# KiCad board FlexKeys.kicad_pcb (continued)
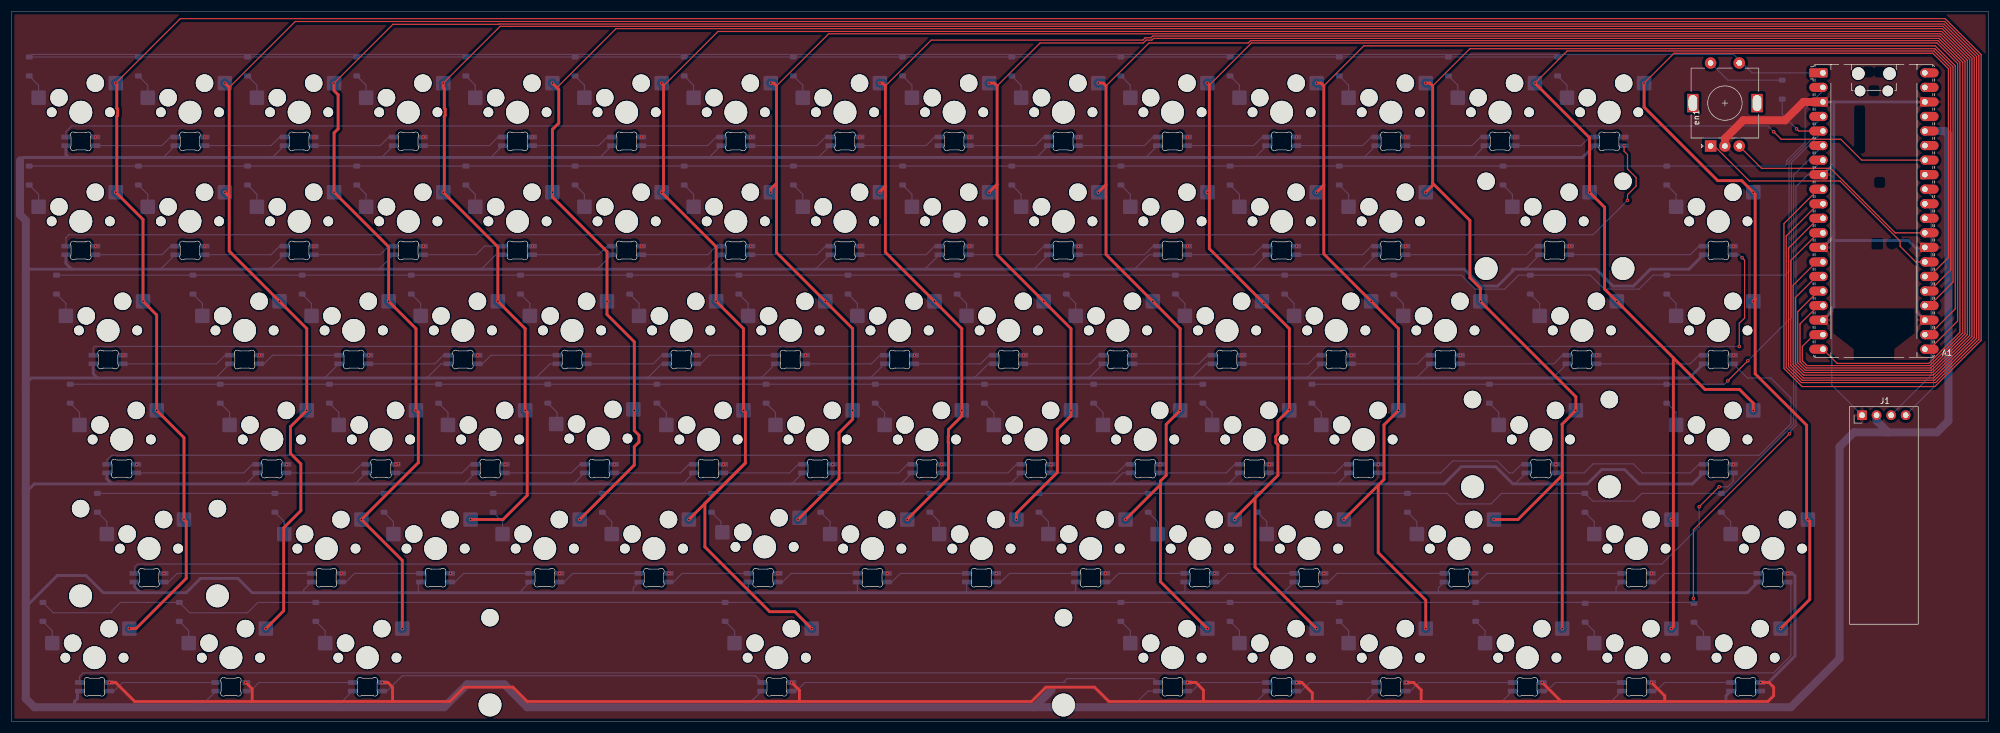
[diagram p0: board, top side]
## Nets (continued)
Net-(D29-A): D29.2 SW29.2
Net-(D30-A): D30.2 SW30.2
Net-(D31-A): D31.2 SW31.2
Net-(D32-A): D32.2 SW32.2
Net-(D33-A): D33.2 SW33.2
Net-(D34-A): D34.2 SW34.2
Net-(D35-A): D35.2 SW35.2
Net-(D36-A): D36.2 SW36.2
Net-(D37-A): D37.2 SW37.2
Net-(D38-A): D38.2 SW38.2
Net-(D39-A): D39.2 SW39.2
Net-(D40-A): D40.2 SW40.2
Net-(D41-A): D41.2 SW41.2
Net-(D42-A): D42.2 SW42.2
Net-(D43-A): D43.2 SW43.2
Net-(D44-A): D44.2 SW44.2
Net-(D45-A): D45.2 SW45.2
Net-(D46-A): D46.2 SW46.2
Net-(D47-A): D47.2 SW47.2
Net-(D48-A): D48.2 SW48.2
Net-(D49-A): D49.2 SW49.2
Net-(D50-A): D50.2 SW50.2
Net-(D51-A): D51.2 SW51.2
Net-(D52-A): D52.2 SW52.2
Net-(D53-A): D53.2 SW53.2
Net-(D54-A): D54.2 SW54.2
Net-(D55-A): D55.2 SW55.2
Net-(D56-A): D56.2 SW56.2
Net-(D57-A): D57.2 SW57.2
Net-(D58-A): D58.2 SW58.2
Net-(D59-A): D59.2 SW59.2
Net-(D60-A): D60.2 SW60.2
Net-(D61-A): D61.2 SW61.2
Net-(D62-A): D62.2 SW62.2
Net-(D63-A): D63.2 SW63.2
Net-(D64-A): D64.2 SW64.2
Net-(D65-A): D65.2 SW65.2
Net-(D66-A): D66.2 SW66.2
Net-(D67-A): D67.2 SW67.2
Net-(D68-A): D68.2 SW68.2
Net-(D69-A): D69.2 SW69.2
Net-(D70-A): D70.2 SW70.2
Net-(D71-A): D71.2 SW71.2
Net-(D72-A): D72.2 SW72.2
Net-(D73-A): D73.2 SW73.2
Net-(D74-A): D74.2 SW74.2
Net-(D75-A): D75.2 SW75.2
Net-(D76-A): D76.2 SW76.2
Net-(D77-A): D77.2 SW77.2
Net-(D78-A): D78.2 SW78.2
Net-(D79-A): D79.2 SW79.2
Net-(D80-A): D80.2 SW80.2
Net-(D81-A): D81.2 SW81.2
Net-(D85-A): D85.2 SW82.2
Net-(D86-A): D86.2 SW83.2
Net-(DL1-DOUT): DL1.1 DL2.3
Net-(DL2-DOUT): DL2.1 DL3.3
Net-(DL3-DOUT): DL3.1 DL4.3
Net-(DL4-DOUT): DL4.1 DL5.3
Net-(DL5-DOUT): DL5.1 DL6.3
Net-(DL6-DOUT): DL6.1 DL7.3
Net-(DL7-DOUT): DL7.1 DL8.3
Net-(DL8-DOUT): DL8.1 DL9.3
Net-(DL10-DIN): DL9.1 DL10.3
Net-(DL10-DOUT): DL10.1 DL11.3
Net-(DL11-DOUT): DL11.1 DL12.3
Net-(DL12-DOUT): DL12.1 DL13.3
Net-(DL13-DOUT): DL13.1 DL14.3
Net-(DL14-DOUT): DL14.1 DL15.3
Net-(DL15-DOUT): DL15.1 DL16.3
Net-(DL16-DOUT): DL16.1 DL17.3
Net-(DL17-DOUT): DL17.1 DL18.3
Net-(DL18-DOUT): DL18.1 DL19.3
Net-(DL19-DOUT): DL19.1 DL20.3
Net-(DL20-DOUT): DL20.1 DL21.3
Net-(DL21-DOUT): DL21.1 DL22.3
Net-(DL22-DOUT): DL22.1 DL23.3
Net-(DL23-DOUT): DL23.1 DL24.3
Net-(DL24-DOUT): DL24.1 DL25.3
Net-(DL25-DOUT): DL25.1 DL26.3
Net-(DL26-DOUT): DL26.1 DL27.3
Net-(DL27-DOUT): DL27.1 DL28.3
Net-(DL28-DOUT): DL28.1 DL29.3
Net-(DL29-DOUT): DL29.1 DL30.3
Net-(DL30-DOUT): DL30.1 DL31.3
Net-(DL31-DOUT): DL31.1 DL32.3
Net-(DL32-DOUT): DL32.1 DL33.3
Net-(DL33-DOUT): DL33.1 DL34.3
Net-(DL34-DOUT): DL34.1 DL35.3
Net-(DL35-DOUT): DL35.1 DL36.3
Net-(DL36-DOUT): DL36.1 DL37.3
Net-(DL37-DOUT): DL37.1 DL38.3
Net-(DL38-DOUT): DL38.1 DL39.3
Net-(DL39-DOUT): DL39.1 DL40.3
Net-(DL40-DOUT): DL40.1 DL41.3
Net-(DL41-DOUT): DL41.1 DL42.3
Net-(DL42-DOUT): DL42.1 DL43.3
Net-(DL43-DOUT): DL43.1 DL44.3
Net-(DL44-DOUT): DL44.1 DL45.3
Net-(DL45-DOUT): DL45.1 DL46.3
Net-(DL46-DOUT): DL46.1 DL47.3
Net-(DL47-DOUT): DL47.1 DL48.3
Net-(DL48-DOUT): DL48.1 DL49.3
Net-(DL49-DOUT): DL49.1 DL50.3
Net-(DL50-DOUT): DL50.1 DL51.3
Net-(DL51-DOUT): DL51.1 DL52.3
Net-(DL52-DOUT): DL52.1 DL53.3
Net-(DL53-DOUT): DL53.1 DL54.3
Net-(DL54-DOUT): DL54.1 DL55.3
Net-(DL55-DOUT): DL55.1 DL56.3
Net-(DL56-DOUT): DL56.1 DL57.3
Net-(DL57-DOUT): DL57.1 DL58.3
Net-(DL58-DOUT): DL58.1 DL59.3
Net-(DL59-DOUT): DL59.1 DL60.3
Net-(DL60-DOUT): DL60.1 DL61.3
Net-(DL61-DOUT): DL61.1 DL62.3
Net-(DL62-DOUT): DL62.1 DL63.3
Net-(DL63-DOUT): DL63.1 DL64.3
Net-(DL64-DOUT): DL64.1 DL65.3
Net-(DL65-DOUT): DL65.1 DL66.3
Net-(DL66-DOUT): DL66.1 DL67.3
Net-(DL67-DOUT): DL67.1 DL68.3
Net-(DL68-DOUT): DL68.1 DL69.3
Net-(DL69-DOUT): DL69.1 DL70.3
Net-(DL70-DOUT): DL70.1 DL71.3
Net-(DL71-DOUT): DL71.1 DL72.3
Net-(DL72-DOUT): DL72.1 DL73.3
Net-(DL73-DOUT): DL73.1 DL74.3
Net-(DL74-DOUT): DL74.1 DL75.3
Net-(DL75-DOUT): DL75.1 DL76.3
Net-(DL76-DOUT): DL76.1 DL77.3
Net-(DL77-DOUT): DL77.1 DL78.3
Net-(DL78-DOUT): DL78.1 DL79.3
Net-(DL79-DOUT): DL79.1 DL80.3
Net-(DL80-DOUT): DL80.1 DL81.3
Net-(DL81-DOUT): DL81.1 DL82.3
Net-(DL82-DOUT): DL82.1 DL83.3

Pads without a net: A1 30 33 35 37 39 40; DL83 1; en1 MP

## Via types
v1: diameter 0.6, hole 0.3, Top to Bottom, 180 vias

## Routing (per net, layer and track width the routed paths; a pad name or vN(x,y) marks a point on that pad's centre or on a via; arc(x,y) is an arc through that point)
+3V3: length 2264.2
  Bottom w0.2: 121.74,98.51 DL7.4 ; DL13.4 236.04,98.51 ; 36,60 36,60.4 DL32.4 ; DL80.4 235.28,2.5 ; DL10.4 178.89,98.51 ; DL2.4 26.48,98.5 ; 128,2.5 129.5,4 129.62,4 DL77.4 ; 231.5,41.5 231.5,41.58 DL57.4 ; 64.5,98.51 64.59,98.51 DL4.4 ; 147.5,22.5 147.61,22.61 DL66.4 ; DL50.4 98.07,41.5 ; DL22.4 121.28,79 ; 45.5,98.51 45.54,98.51 DL3.4 ; DL62.4 71,23.96 71,22.5 ; 32.87,2.5 35.69,5.32 ; DL78.4 198.32,5.32 195.5,2.5 ; DL38.4 149.91,60 ; 168,60 170.47,62.47 DL39.4 ; DL26.4 198.52,81.52 196,79 ; DL29.4 264.15,79 ; 204.5,22.5 204.76,22.76 DL69.4 ; 108.5,22.5 108.5,23.36 DL64.4 ; 51,22.5 51,23.01 DL61.4 ; DL53.4 155.22,41.5 ; 261,2.5 260.09,3.41 260.09,3.5 DL81.4 ; 89,22.5 89,22.91 DL63.4 ; 240.49,98.51 240.5,98.5 ; DL56.4 212.37,41.5 ; DL12.4 216.99,98.51 ; 41,41.5 41,41.58 DL47.4 ; DL18.4 45.08,79 ; DL27.4 216.53,79 ; DL37.4 130.85,60 ; DL17.4 26.03,79 ; DL72.4 280,23.41 280,22.5 ; DL54.4 174.27,41.5 ; DL11.4 197.94,98.51 ; DL36.4 113.47,62.47 111,60 ; 128.5,22.5 128.56,22.56 DL65.4 ; 192,41.5 193.92,43.42 DL55.4 ; 235.58,79 DL28.4 238.14,81.52 238.3,81.36 238.26,81.26 ; DL41.4 208.47,62.47 206,60 ; DL68.4 185.71,22.71 185.5,22.5 ; DL44.4 268.97,60 ; DL5.4 83.64,98.51 83.5,98.51 ; DL51.4 117.12,41.5 ; 91.5,60 93.97,62.47 DL35.4 ; 216.23,2.5 DL79.4 ; DL70.4 222,22.56 222,22.5 ; 102.69,98.51 DL6.4 ; DL74.4 11.5,4.94 ; 82,79 84.52,81.52 DL20.4 ; DL49.4 79.02,41.5 ; 255.08,98.5 DL14.4 ; DL24.4 159.38,79 ; DL40.4 188,60 ; DL71.4 249,23.36 249,22.5 ; DL48.4 59.97,41.5 ; 166.5,22.5 166.66,22.66 DL67.4 ; DL34.4 74.97,62.47 72.5,60 ; 278.14,2.5 DL82.4 ; DL21.4 102.5,79.27 102.5,79 ; 140.79,98.51 DL8.4 ; 56.69,2.5 DL76.4 ; DL52.4 136.17,41.5 ; DL60.4 21.5,24.28 ; DL33.4 54.66,60 ; DL25.4 178.43,79 ; DL42.4 226.11,60 ; DL19.4 64.13,79 ; DL58.4 262.37,41.5 ; DL23.4 140.33,79 ; DL43.4 245.15,60
  Bottom w0.5: 240.49,98.51 26.49,98.51 ; 17.5,41.5 4,41.5 2.5,40 ; 17.5,41.5 250,41.5 253,44.5 259,44.5 262,41.5 275,41.5 277.5,44 281.5,44 284,41.5 293.33,41.5 DL59.4 ; 17.5,41.5 16.64,42.36 DL46.4 ; 21.5,24.28 21.5,23.5 22.5,22.5 ; 10.5,79 9.5,80 DL16.4 ; 10.5,79 3,79 2.5,78.5 2.5,78 ; 10.5,79 253.5,79 256.45,76.05 259.32,76.05 262,78.73 262,79 276.5,79 279.45,76.05 283.05,76.05 286,79 292.73,79 DL30.4 295.29,81.52 295.39,81.62 295.28,81.37 295.29,81.36 295.25,81.28 ; DL31.4 14.26,60.74 15,60 ; 2.5,58.5 2.5,59 3.5,60 15,60 ; 299.19,2.5 299.19,4.5 DL83.4 ; 11,2.5 11,3.5 11.5,4 11.5,4.94 ; 10,98.5 26.48,98.5 ; 10,98.5 2,98.5 1.5,98 ; 10,98.5 9.5,99 DL1.4 ; 2.5,20 8,25.5 13,25.5 16,22.5 22.5,22.5 ; DL15.4 274.13,98.5 240.5,98.5 ; 15,60 292.78,60 DL45.4 ; 22.5,22.5 30.5,22.5 33,25 39.5,25 42,22.5 302.9,22.5 DL73.4
  Bottom w1.4: 178.5,2.5 90,2.5 86,6.5 79.5,6.5 75.5,2.5 4,2.5 2.5,4 2.5,87.5 1.5,88.5 1.5,98 ; 178.5,2.5 181.5,5.5 ; 178.5,2.5 310.5,2.5 319,11 319,48 321.5,50.5 327.5,50.5 ; 327.5,50.5 336,50.5 338,52.5 338,102.5 337.38,103.12 A1.36 ; 327.5,50.5 325.46,52.54 J1.2
GND: length 512.6
  Top w0.5: 137.5,3.5 90,3.5 87.5,6 79,6 76.5,3.5 66.5,3.5 ; 137.5,3.5 178,3.5 180.5,6 189,6 191.5,3.5 208,3.5 ; 137.5,3.5 137.5,5.46 v1(136.14,6.82) ; v1(243.4,6.82) 244.68,6.82 246,5.5 246,3.5 ; 288.5,3.5 270.43,3.5 v1(267.11,6.82) ; 288.5,3.5 306.5,3.5 307.5,4.5 307.5,6 306.68,6.82 v1(305.21,6.82) ; 288.5,3.5 246,3.5 ; 288.5,3.5 288.5,4.48 v1(286.16,6.82) ; 42,3.5 66.5,3.5 ; 42,3.5 42,5.71 v1(40.89,6.82) ; 42,3.5 21.5,3.5 18.18,6.82 v1(17.08,6.82) ; 66.5,3.5 66.5,6 65.68,6.82 v1(64.71,6.82) ; A1.3 A1.3 ; 208,3.5 208,5.5 206.68,6.82 v1(205.2,6.82) ; 208,3.5 227,3.5 ; v1(224.25,6.82) 225.18,6.82 227,5 227,3.5 ; 246,3.5 227,3.5
  Top w1.4: en1.C 299,101.8 302.2,105 309.5,105 312.7,108.2 A1.3
  Bottom w0.2: 317.65,71.64 317.65,58.77 J1.1
  Bottom w0.5: A1.28 333.59,82.5 332.5,82.5 ; 332.5,82.5 331,84 318,84 ; 332.5,82.5 332.5,71.49 A1.23 ; v1(305.21,6.82) 306.6,6.82 311.23,11.45 311.23,25.42 310.77,25.87 v1(309.98,25.87) ; 318,84 318,72.4 317.8,72.4 317.65,72.25 317.65,71.64 A1.18 ; 318,84 318,85.5 ; 318,108.2 A1.38 ; 318,108.2 A1.3 ; 318,108.2 318,97.39 ; 318,85.5 318,84.69 A1.13 ; 318,85.5 318,97.39 ; 318,97.39 A1.8
  vias: v1(14.7,102.07) v1(14.7,83.02) v1(19.46,63.97) v1(21.84,44.92) v1(26.61,25.87) v1(33.75,102.07) v1(33.75,83.02) v1(43.28,63.97) v1(48.04,44.92) v1(52.8,102.07) v1(52.8,83.02) v1(57.56,25.87) v1(62.33,63.97) v1(67.09,44.92) v1(67.5,45) v1(71.85,102.07) v1(71.85,83.02) v1(76.61,25.87) v1(81.38,63.97) v1(86.14,44.92) v1(90.9,102.07) v1(90.9,83.02) v1(95.66,25.87) v1(100.43,63.97) v1(105.19,44.92) v1(109.95,102.07) v1(109.95,83.02) v1(114.71,25.87) v1(119.47,63.97) v1(124.24,44.92) v1(129,102.07) v1(129,83.02) v1(133.76,25.87) v1(138.53,63.97) v1(143.29,44.92) v1(148.05,102.07) v1(148.05,83.02) v1(152.81,25.87) v1(157.57,63.97) v1(162.34,44.92) v1(167.1,102.07) v1(167.1,83.02) v1(171.86,25.87) v1(176.62,63.97) v1(181.39,44.92) v1(186.15,102.07) v1(186.15,83.02) v1(190.91,25.87) v1(195.68,63.97) v1(200.44,44.92) v1(205.2,102.07) v1(205.2,83.02) v1(209.96,25.87) v1(214.73,63.97) v1(219.49,44.92) v1(224.25,102.07) v1(224.25,83.02) v1(229.01,25.87) v1(233.77,63.97) v1(238.54,44.92) v1(243.3,102.07) v1(243.3,83.02) v1(252.82,63.97) v1(255.21,25.87) v1(262.35,102.07) v1(269.49,44.92) v1(271.88,83.02) v1(276.64,63.97) v1(281.4,102.07) v1(286.16,25.87) v1(300.45,83.02) v1(300.45,63.97) v1(300.45,44.92)
(no net):
  vias: v1(14.64,111.48)
COL1: length 560.9
  Top w0.2: A1.9 309.29,86.94 309.29,61.67 312.46,58.5 335.63,58.5 343.71,66.58 343.71,116.46 337.42,122.75 29.47,122.75 v1(18.2,111.48)
  Top w0.5: v1(20.58,16.23) 21.73,16.23 30.5,25 30.5,34.88 v1(30.1,35.28) 30.1,49.57 v1(25.34,54.33) 25.34,71 v1(22.96,73.38) 22.96,87.67 v1(18.2,92.43) 18.38,92.62 18.38,105.69 18.53,105.84 18.53,106.96 18.38,107.11 18.38,111.29 v1(18.2,111.48)
COL2: length 537.5
  Top w0.2: A1.10 309.69,84.8 309.69,61.84 312.33,59.2 335.76,59.2 343.31,66.74 343.31,116.3 337.35,122.25 49.52,122.25 38,110.73
  Top w0.5: 38,91.68 38,82.15 v1(46.77,73.38) 51.53,68.62 v1(51.53,54.33) 48.68,51.48 48.68,46.82 50.5,45 50.5,36.82 47.5,33.82 47.5,19.34 v1(44.39,16.23) ; 38,91.68 v1(37.25,92.43) ; 38,91.68 38,110.73 v1(37.25,111.48)
COL3: length 516.6
  Top w0.2: 56.48,92.62 v1(56.3,92.43) ; A1.11 310.09,82.66 310.09,62 312.5,59.6 335.6,59.6 342.91,66.91 342.91,116.13 337.23,121.8 85.1,121.8 85.05,121.75 66.57,121.75 v1(56.3,111.48)
  Top w0.5: v1(68.2,16.23) 68.2,28.14 v1(61.06,35.28) 71,45.22 71,54 70.67,54.33 v1(70.58,54.33) 70.58,68.62 v1(65.82,73.38) 65.82,82.91 v1(56.3,92.43) 56.3,102.8 57,103.5 57,109.46 56.3,110.17 v1(56.3,111.48)
COL4: length 473.4
  Top w0.2: 75.53,92.62 v1(75.35,92.43) ; A1.12 310.5,80.53 310.5,62.17 312.66,60 335.43,60 342.5,67.08 342.5,115.96 337.07,121.4 85.27,121.4 v1(75.35,111.48)
  Top w0.5: v1(75.35,111.48) 75.35,110.69 75.53,110.5 75.53,107.11 75.68,106.96 75.68,105.84 75.53,105.69 75.53,92.62 ; v1(75.35,92.43) 84.87,82.91 v1(84.87,73.38) 89.63,68.62 v1(89.63,54.33) 90,53.96 90,39.5 85.78,35.28 v1(80.11,35.28)
COL5: length 446
  Top w0.2: 95.19,110.69 105.5,121 336.9,121 342.1,115.8 342.1,67.24 335.36,60.5 312.73,60.5 310.9,62.34 310.9,76.18 314.98,80.26 A1.14 ; v1(94.4,92.43) 94.58,92.62
  Top w0.5: v1(99.16,35.28) 108.68,44.81 108.68,48 109.5,48.82 109.5,50 108.68,50.82 v1(108.68,54.33) 108.68,66.32 103.92,71.08 103.92,73.5 ; 94.4,93 94.4,103.4 95.5,104.5 95.5,110.38 v1(94.4,111.48) ; 94.4,93 v1(94.4,92.43) ; 94.4,93 94.4,91.6 103.92,82.08 103.92,73.5 ; 103.92,73.5 v1(103.92,73.38)
COL6: length 462.4
  Top w0.2: 113.78,111 123.29,120.5 336.83,120.5 341.7,115.63 341.7,67.41 335.24,60.95 312.85,60.95 311.3,62.5 311.3,74.04 314.98,77.72 A1.15
  Top w0.5: v1(113.45,111.48) 113.78,111.14 113.78,92.77 v1(113.45,92.43) 122.97,82.91 v1(122.97,73.38) 127.73,68.62 v1(127.73,54.33) 128.07,53.99 128.07,45.14 ; 128.07,45.14 121,38.07 121,30.5 132.32,19.18 136.68,19.18 v1(139.64,16.23) ; 128.07,45.14 v1(118.21,35.28)
COL7: length 396.5
  Top w0.2: A1.16 311.7,71.57 311.7,62.67 313.02,61.35 335.07,61.35 341.3,67.57 341.3,115.47 336.66,120.1 142.6,120.1 133.5,111
  Top w0.5: v1(132.5,92.43) 132.5,93 133.5,94 ; 133.5,94 133.5,111 133.02,111.48 v1(132.5,111.48) ; 133.5,94 133.5,81.9 v1(142.02,73.38) 146.78,68.62 v1(146.78,54.33) 146.78,52.78 144.42,50.42 144.42,42.44 v1(137.26,35.28)
COL8: length 372.1
  Top w0.2: A1.17 312.1,69.43 312.1,62.83 313.19,61.75 334.91,61.75 340.9,67.74 340.9,115.3 336.5,119.7 199.14,119.7 198.83,119.4 197.83,119.4 197.43,119 160.5,119 152.5,111
  Top w0.5: 152.5,93.5 152.5,81.95 v1(161.07,73.38) 165.83,68.62 v1(165.83,54.33) 165.83,53.33 163.5,51 163.5,49.84 163.47,49.81 163.47,48.69 163.5,48.66 163.5,42.5 156.31,35.31 v1(156.31,35.28) ; 152.5,93.5 152.5,111 152.02,111.48 v1(151.55,111.48) ; 152.5,93.5 151.55,92.55 v1(151.55,92.43)
COL9: length 346.6
  Top w0.2: A1.19 314.56,67.56 312.5,65.5 312.5,63 313.35,62.15 334.74,62.15 340.5,67.91 340.5,115.13 336.33,119.3 199.3,119.3 199,119 198,119 197.5,118.5 179.5,118.5 172,111 ; 170.78,92.62 v1(170.6,92.43)
  Top w0.5: 172,93.83 172,111 171.52,111.48 v1(170.6,111.48) ; 172,93.83 172,81.5 v1(180.12,73.38) 184.88,68.62 v1(184.88,54.33) 184.88,53.38 182.5,51 182.5,43.5 175.36,36.36 v1(175.36,35.28) ; 172,93.83 v1(170.6,92.43)
COL10: length 346.1
  Top w0.2: 189.83,92.62 v1(189.65,92.43) ; 191,111 198.5,118.5 215.82,118.5 216.22,118.9 336.17,118.9 340,115.06 340,67.98 334.58,62.55 318.58,62.55 A1.20
  Top w0.5: 191,93.78 v1(189.65,92.43) ; 191,93.78 191,111 190.5,111.5 189.67,111.5 v1(189.65,111.48) ; 191,93.78 191,81.55 v1(199.17,73.38) 203.93,68.62 v1(203.93,54.33) 201.5,51.9 201.5,43 200.5,42 ; v1(208.7,16.23) 200.5,24.43 200.5,42 ; 200.5,42 200.5,41.37 v1(194.41,35.28)
COL11: length 302.3
  Top w0.2: A1.21 339.6,69.93 339.6,114.9 336,118.5 216.39,118.5 209.03,111.14
  Top w0.5: 217,39 213.46,35.46 v1(213.46,35.28) ; 217,39 217,26.98 v1(227.75,16.23) ; 217,39 221,43 221,48.31 220.62,48.69 220.62,49.81 221,50.19 221,52.5 v1(223,54.5) 223,68.6 218.05,73.55 ; 209.03,92.77 209.03,111.14 v1(208.7,111.48) ; 209.03,92.77 209.03,82.57 218.05,73.55 ; 209.03,92.77 v1(208.7,92.43) ; 218.05,73.55 v1(218.55,73.05)
  Bottom w0.2: SW41.1 v1(218.55,73.05)
COL12: length 280.4
  Top w0.2: v1(227.75,92.43) 227.93,92.62 ; 229,111 236,118 335.7,118 339.2,114.5 339.2,72.07 A1.22
  Top w0.5: 229,93.68 229,81.65 v1(237.27,73.38) 242.03,68.62 v1(242.03,54.33) 239.5,51.8 239.5,42.27 238.5,41.27 ; 229,93.68 229,111 228.52,111.48 v1(227.75,111.48) ; 229,93.68 v1(227.75,92.43) ; 238.5,41.27 238.5,41.27 238.5,29.5 246.8,21.2 v1(246.8,16.23) ; 238.5,41.27 v1(232.51,35.28)
COL13: length 262.9
  Top w0.2: A1.24 338.8,76.75 338.8,114.33 335.63,117.5 254.5,117.5 248,111
  Top w0.5: v1(246.8,92.43) 248,93.63 248,94 ; v1(270.61,16.23) 270.61,43 ; 270.61,43 262.89,35.28 v1(258.7,35.28) ; 270.61,43 270.61,51.89 270.58,51.92 v1(272.99,54.33) 272.99,56.71 v1(256.32,73.38) 256.32,75.68 254.5,77.5 254.5,87.5 248,94 ; 248,94 248,111 247.5,111.5 247.48,111.48 v1(246.8,111.48)
COL14: length 241.4
  Top w0.2: v1(265.85,111.48) 271.46,117.1 335.47,117.1 338.4,114.17 338.4,78.89 A1.25
  Top w0.5: 290,63.51 v1(280.13,73.38) 278,75.51 278,89.8 v1(275.37,92.43) 275.37,101.95 v1(265.85,111.48) ; 290,63.51 295.51,58 301.54,58 303.95,55.59 v1(303.95,54.33) ; 290,63.51 290,34.5 ; v1(289.66,16.23) 290,16.57 290,34.5 ; 290,34.5 290,34.94 v1(289.66,35.28)
COL15: length 206.3
  Top w0.2: v1(284.9,111.48) 290.11,116.7 335.3,116.7 338,114 338,81.03 A1.26
  Top w0.5: v1(284.9,111.48) 284.9,107.3 297.74,94.45 301.92,94.45 v1(303.95,92.43) 304.28,92.09 304.28,73.72 ; 304.28,73.72 304.28,60.72 313.26,51.74 313.26,35.49 v1(313.47,35.28) 313.81,34.94 313.81,21.33 v1(308.71,16.23) ; 304.28,73.72 v1(303.95,73.38)
en1: length 13.7
  Bottom w0.2: en1.S2 299.5,112 D82.2
ENA: length 46.3
  Top w0.2: en1.A 297.16,100.5 303.27,94.39 319.08,94.39 329.57,83.9 329.57,83 332.31,80.26 A1.27
ENB: length 38.7
  Top w0.2: A1.29 328.7,85.34 317.43,96.61 305.39,96.61 en1.B
LED: length 329
  Top w0.2: A1.34 322.86,98.04 319.22,101.68 308.82,101.68 v1(307.5,103)
  Bottom w0.2: v1(307.5,103) 306.5,104 10.5,104 9.5,103 DL1.3
ROW1: length 581.2
  Bottom w0.2: D15.1 D14.1 D13.1 D12.1 D11.1 D10.1 D9.1 D8.1 D7.1 D6.1 D5.1 D4.1 D3.1 D2.1 D1.1 3.55,116.5 300.5,116.5 303.72,113.28 A1.1
ROW2: length 323.6
  Bottom w0.2: D16.1 D17.1 D18.1 D19.1 D20.1 D21.1 D22.1 D23.1 D24.1 D25.1 D26.1 D27.1 D28.1 D29.1 D30.1 309.5,97 309.8,97.3 309.8,97.94 313,101.14 313,107 316.11,110.11 A1.2 315.43,110.74
ROW3: length 336.1
  Bottom w0.2: D31.1 D32.1 D33.1 D34.1 D35.1 D36.1 D37.1 D38.1 D39.1 D40.1 D41.1 D42.1 D43.1 253,77.95 255.45,75.5 260.55,75.5 263,77.95 D44.1 275.5,77.95 277.95,75.5 284,75.5 286.45,77.95 D45.1 309.45,77.95 310.2,78.7 310.2,97.78 314.5,102.08 314.5,104.05 A1.4
ROW4: length 332
  Top w0.2: v1(303,63) v1(299.5,59.5) ; v1(311.5,103.5) 311.88,103.12 A1.5
  Bottom w0.2: D56.1 D55.1 D54.1 D53.1 D52.1 D51.1 D50.1 D49.1 D48.1 D47.1 D46.1 ; v1(299.5,59.5) 298.9,58.9 D59.1 D58.1 D57.1 ; v1(311.5,103.5) 309,106 D82.1 ; A1.5 310.6,97.61 310.6,70.6 v1(303,63)
ROW5: length 354.4
  Bottom w0.2: D60.1 D61.1 D62.1 D63.1 D64.1 D65.1 D66.1 D67.1 D68.1 D69.1 D70.1 D71.1 250.5,39.85 252.35,38 258.15,38 260,39.85 D72.1 275.91,38.5 283.15,38.5 284.5,39.85 D73.1 298.98,39.85 311,51.87 311,95.47 A1.6
ROW6: length 378.2
  Top w0.2: v1(293.5,21.5) 293.5,33.5 v1(310.25,50.25)
  Bottom w0.2: A1.7 316.04,98.04 311.4,93.4 311.4,51.71 310.5,50.81 310.5,50.5 v1(310.25,50.25) ; D74.1 7.28,19 17.5,19 17.5,19.3 19,20.8 D75.1 31.09,19 41.2,19 43,20.8 D76.1 D77.1 D78.1 D79.1 D80.1 D81.1 293.45,20.8 D86.1 293.6,21.4 v1(293.5,21.5)
SCL: length 40.3
  Bottom w0.2: A1.31 335,89.31 335,60.5 J1.3
SDA: length 42.1
  Bottom w0.2: A1.32 335.4,91.45 335.4,58.36 J1.4
Net-(D1-A): length 4.5
  Bottom w0.2: D1.2 4.73,111.12 SW1.2
Net-(D2-A): length 4.5
  Bottom w0.2: SW2.2 23.78,111.12 D2.2
Net-(D3-A): length 4.5
  Bottom w0.2: SW3.2 42.83,111.12 D3.2
Net-(D4-A): length 4.5
  Bottom w0.2: D4.2 61.88,111.12 SW4.2
Net-(D5-A): length 4.5
  Bottom w0.2: D5.2 80.93,111.12 SW5.2
Net-(D6-A): length 4.5
  Bottom w0.2: D6.2 99.98,111.12 SW6.2
Net-(D7-A): length 4.5
  Bottom w0.2: D7.2 119.03,111.12 SW7.2
Net-(D8-A): length 4.5
  Bottom w0.2: D8.2 138.08,111.12 SW8.2
Net-(D9-A): length 4.5
  Bottom w0.2: SW9.2 157.13,111.12 D9.2
Net-(D10-A): length 4.5
  Bottom w0.2: D10.2 176.18,111.12 SW10.2
Net-(D11-A): length 4.5
  Bottom w0.2: SW11.2 195.23,111.12 D11.2
Net-(D12-A): length 4.5
  Bottom w0.2: SW12.2 214.28,111.12 D12.2
Net-(D13-A): length 4.5
  Bottom w0.2: D13.2 233.33,111.12 SW13.2
Net-(D14-A): length 4.5
  Bottom w0.2: SW14.2 252.38,111.12 D14.2
Net-(D15-A): length 4.5
  Bottom w0.2: SW15.2 271.43,111.12 D15.2
Net-(D16-A): length 4.5
  Bottom w0.2: SW16.2 4.73,92.07 D16.2
Net-(D17-A): length 4.5
  Bottom w0.2: D17.2 23.78,92.07 SW17.2
Net-(D18-A): length 4.5
  Bottom w0.2: SW18.2 42.83,92.07 D18.2
Net-(D19-A): length 4.5
  Bottom w0.2: D19.2 61.88,92.07 SW19.2
Net-(D20-A): length 4.5
  Bottom w0.2: SW20.2 80.93,92.07 D20.2
Net-(D21-A): length 4.5
  Bottom w0.2: SW21.2 99.98,92.07 D21.2
Net-(D22-A): length 4.5
  Bottom w0.2: D22.2 119.03,92.07 SW22.2
Net-(D23-A): length 4.5
  Bottom w0.2: D23.2 138.08,92.07 SW23.2
Net-(D24-A): length 4.5
  Bottom w0.2: SW24.2 157.13,92.07 D24.2
Net-(D25-A): length 4.5
  Bottom w0.2: D25.2 176.18,92.07 SW25.2
Net-(D26-A): length 4.5
  Bottom w0.2: D26.2 195.23,92.07 SW26.2
Net-(D27-A): length 4.5
  Bottom w0.2: SW27.2 214.28,92.07 D27.2
Net-(D28-A): length 4.5
  Bottom w0.2: SW28.2 233.33,92.07 D28.2
Net-(D29-A): length 4.5
  Bottom w0.2: SW29.2 261.91,92.07 D29.2
Net-(D30-A): length 4.5
  Bottom w0.2: SW30.2 290.48,92.07 D30.2
Net-(D31-A): length 4.5
  Bottom w0.2: D31.2 9.5,73.02 SW31.2
Net-(D32-A): length 4.5
  Bottom w0.2: D32.2 33.31,73.02 SW32.2
Net-(D33-A): length 4.5
  Bottom w0.2: SW33.2 52.36,73.02 D33.2
Net-(D34-A): length 4.5
  Bottom w0.2: SW34.2 71.41,73.02 D34.2
Net-(D35-A): length 4.5
  Bottom w0.2: D35.2 90.46,73.02 SW35.2
Net-(D36-A): length 4.5
  Bottom w0.2: SW36.2 109.51,73.02 D36.2
Net-(D37-A): length 4.5
  Bottom w0.2: SW37.2 128.56,73.02 D37.2
Net-(D38-A): length 4.5
  Bottom w0.2: SW38.2 147.61,73.02 D38.2
Net-(D39-A): length 4.5
  Bottom w0.2: SW39.2 166.66,73.02 D39.2
Net-(D40-A): length 4.5
  Bottom w0.2: D40.2 185.71,73.02 SW40.2
Net-(D41-A): length 4.5
  Bottom w0.2: SW41.2 204.76,73.02 D41.2
Net-(D42-A): length 4.5
  Bottom w0.2: SW42.2 223.81,73.02 D42.2
Net-(D43-A): length 4.5
  Bottom w0.2: D43.2 242.86,73.02 SW43.2
Net-(D44-A): length 4.5
  Bottom w0.2: D44.2 266.67,73.02 266.67,70.84
Net-(D45-A): length 4.5
  Bottom w0.2: SW45.2 290.48,73.02 D45.2
Net-(D46-A): length 4.5
  Bottom w0.2: SW46.2 11.88,53.97 D46.2
Net-(D47-A): length 4.5
  Bottom w0.2: SW47.2 38.07,53.97 D47.2
Net-(D48-A): length 4.5
  Bottom w0.2: SW48.2 57.12,53.97 D48.2
Net-(D49-A): length 4.5
  Bottom w0.2: SW49.2 76.17,53.97 D49.2
Net-(D50-A): length 4.5
  Bottom w0.2: 95.22,51.79 95.22,53.97 D50.2
Net-(D51-A): length 4.5
  Bottom w0.2: SW51.2 114.27,53.97 D51.2
Net-(D52-A): length 4.5
  Bottom w0.2: D52.2 133.32,53.97 SW52.2
Net-(D53-A): length 4.5
  Bottom w0.2: 152.37,51.79 152.37,53.97 D53.2
Net-(D54-A): length 4.5
  Bottom w0.2: 171.42,51.79 171.42,53.97 D54.2
Net-(D55-A): length 4.5
  Bottom w0.2: SW55.2 190.47,53.97 D55.2
Net-(D56-A): length 4.5
  Bottom w0.2: SW56.2 209.52,53.97 D56.2
Net-(D57-A): length 4.5
  Bottom w0.2: SW57.2 228.57,53.97 D57.2
Net-(D58-A): length 4.5
  Bottom w0.2: D58.2 259.53,53.97 SW58.2
Net-(D59-A): length 4.5
  Bottom w0.2: D59.2 290.48,53.97 SW59.2
Net-(D60-A): length 4.5
  Bottom w0.2: D60.2 16.64,34.92 SW60.2
Net-(D61-A): length 4.5
  Bottom w0.2: D61.2 47.6,34.92 SW61.2
Net-(D62-A): length 4.5
  Bottom w0.2: SW62.2 66.65,34.92 D62.2
Net-(D63-A): length 4.5
  Bottom w0.2: D63.2 85.7,34.92 SW63.2
Net-(D64-A): length 4.5
  Bottom w0.2: D64.2 104.75,34.92 SW64.2
Net-(D65-A): length 4.5
  Bottom w0.2: 123.8,32.74 123.8,34.92 D65.2
Net-(D66-A): length 4.5
  Bottom w0.2: D66.2 142.85,34.92 SW66.2
Net-(D67-A): length 4.5
  Bottom w0.2: D67.2 161.9,34.92 SW67.2
Net-(D68-A): length 4.5
  Bottom w0.2: D68.2 180.95,34.92 SW68.2
Net-(D69-A): length 4.5
  Bottom w0.2: SW69.2 200,34.92 D69.2
Net-(D70-A): length 4.5
  Bottom w0.2: SW70.2 219.05,34.92 D70.2
Net-(D71-A): length 4.5
  Bottom w0.2: D71.2 245.24,34.92 SW71.2
Net-(D72-A): length 4.5
  Bottom w0.2: D72.2 276.2,34.92 SW72.2
Net-(D73-A): length 4.5
  Bottom w0.2: D73.2 300.01,34.92 SW73.2
Net-(D74-A): length 4.5
  Bottom w0.2: SW74.2 7.12,15.87 D74.2
Net-(D75-A): length 4.5
  Bottom w0.2: D75.2 30.93,15.87 SW75.2
Net-(D76-A): length 4.5
  Bottom w0.2: SW76.2 54.74,15.87 D76.2
Net-(D77-A): length 4.5
  Bottom w0.2: D77.2 126.18,15.87 SW77.2
Net-(D78-A): length 4.5
  Bottom w0.2: D78.2 195.23,15.87 SW78.2
Net-(D79-A): length 4.5
  Bottom w0.2: D79.2 214.28,15.87 SW79.2
Net-(D80-A): length 4.5
  Bottom w0.2: SW80.2 233.33,15.87 D80.2
Net-(D81-A): length 4.5
  Bottom w0.2: D81.2 257.15,15.87 SW81.2
Net-(D85-A): length 4.3
  Bottom w0.2: D85.2 276.2,15.75 SW82.2
Net-(D86-A): length 4.3
  Bottom w0.2: D86.2 295.25,15.7 SW83.2
Net-(DL1-DOUT): length 14.5
  Bottom w0.2: DL2.3 27.75,102.07 26.25,100.57 DL1.1
Net-(DL2-DOUT): length 14.5
  Bottom w0.2: DL3.3 46.8,102.07 45.3,100.57 DL2.1
Net-(DL3-DOUT): length 14.5
  Bottom w0.2: DL3.1 64.35,100.57 65.85,102.07 DL4.3
Net-(DL4-DOUT): length 14.5
  Bottom w0.2: DL4.1 83.4,100.57 84.9,102.07 DL5.3
Net-(DL5-DOUT): length 14.5
  Bottom w0.2: DL6.3 103.95,102.07 102.45,100.57 DL5.1
Net-(DL6-DOUT): length 14.5
  Bottom w0.2: DL6.1 121.5,100.57 123,102.07 DL7.3
Net-(DL7-DOUT): length 14.5
  Bottom w0.2: DL7.1 140.55,100.57 142.05,102.07 DL8.3
Net-(DL8-DOUT): length 14.5
  Bottom w0.2: DL9.3 161.1,102.07 159.6,100.57 DL8.1
Net-(DL10-DIN): length 14.5
  Bottom w0.2: DL10.3 180.15,102.07 178.65,100.57 DL9.1
Net-(DL10-DOUT): length 14.5
  Bottom w0.2: DL11.3 199.2,102.07 197.7,100.57 DL10.1
Net-(DL11-DOUT): length 14.5
  Bottom w0.2: DL12.3 218.25,102.07 216.75,100.57 DL11.1
Net-(DL12-DOUT): length 14.5
  Bottom w0.2: DL13.3 237.3,102.07 235.8,100.57 DL12.1
Net-(DL13-DOUT): length 14.5
  Bottom w0.2: DL13.1 254.85,100.57 256.35,102.07 DL14.3
Net-(DL14-DOUT): length 14.5
  Bottom w0.2: DL14.1 273.9,100.57 275.4,102.07 DL15.3
Net-(DL15-DOUT): length 288.2
  Top w0.2: v1(282,91) 282,92 283.5,93.5 283.5,95 282,96.5 282,99 281.4,99.6 v1(281.4,100.57)
  Bottom w0.2: 125.5,85 10,85 9.5,84.5 DL16.3 ; 125.5,85 126,85 ; 125.5,85 276,85 v1(282,91)
Net-(DL16-DOUT): length 14.5
  Bottom w0.2: DL16.1 26.25,81.52 27.75,83.02 DL17.3
Net-(DL17-DOUT): length 14.5
  Bottom w0.2: DL17.1 45.3,81.52 46.8,83.02 DL18.3
Net-(DL18-DOUT): length 14.5
  Bottom w0.2: DL18.1 64.35,81.52 65.85,83.02 DL19.3
Net-(DL19-DOUT): length 14.5
  Bottom w0.2: DL20.3 82.56,83.02 81.06,81.52 DL19.1
Net-(DL20-DOUT): length 14.5
  Bottom w0.2: DL20.1 102.45,81.52 103.95,83.02 DL21.3
Net-(DL21-DOUT): length 14.5
  Bottom w0.2: DL21.1 121.5,81.52 123,83.02 DL22.3
Net-(DL22-DOUT): length 14.5
  Bottom w0.2: DL22.1 140.55,81.52 142.05,83.02 DL23.3
Net-(DL23-DOUT): length 14.5
  Bottom w0.2: DL24.3 161.1,83.02 159.6,81.52 DL23.1
Net-(DL24-DOUT): length 14.5
  Bottom w0.2: DL25.3 180.15,83.02 178.65,81.52 DL24.1
Net-(DL25-DOUT): length 14.5
  Bottom w0.2: DL25.1 197.7,81.52 199.2,83.02 DL26.3
Net-(DL26-DOUT): length 14.5
  Bottom w0.2: DL27.3 218.25,83.02 216.75,81.52 DL26.1
Net-(DL27-DOUT): length 14.5
  Bottom w0.2: DL27.1 235.8,81.52 237.3,83.02 DL28.3
Net-(DL28-DOUT): length 24
  Bottom w0.2: DL28.1 264.38,81.52 265.88,83.02 DL29.3
Net-(DL29-DOUT): length 24
  Bottom w0.2: DL29.1 292.95,81.52 294.45,83.02 DL30.3
Net-(DL30-DOUT): length 306.5
  Top w0.2: v1(302,81) 302.43,80.57 302.43,70.47 301.5,69.53 v1(301.5,65.5)
  Bottom w0.2: v1(302,81) 301.48,81.52 DL30.1 ; DL31.3 14.26,65.26 14.5,65.5 v1(301.5,65.5)
Net-(DL31-DOUT): length 19.2
  Bottom w0.2: DL32.3 37.28,63.97 35.78,62.47 DL31.1
Net-(DL32-DOUT): length 14.5
  Bottom w0.2: DL32.1 44.08,62.47 45.58,63.97 DL33.3
Net-(DL33-DOUT): length 14.5
  Bottom w0.2: DL33.1 73.88,62.47 75.38,63.97 DL34.3
Net-(DL34-DOUT): length 14.5
  Bottom w0.2: DL35.3 83.68,63.97 82.18,62.47 DL34.1
Net-(DL35-DOUT): length 14.5
  Bottom w0.2: DL35.1 111.97,62.47 113.47,63.97 DL36.3
Net-(DL36-DOUT): length 14.5
  Bottom w0.2: DL36.1 120.28,62.47 121.78,63.97 DL37.3
Net-(DL37-DOUT): length 14.5
  Bottom w0.2: DL37.1 150.07,62.47 151.57,63.97 DL38.3
Net-(DL38-DOUT): length 14.5
  Bottom w0.2: DL38.1 169.12,62.47 170.62,63.97 DL39.3
Net-(DL39-DOUT): length 14.5
  Bottom w0.2: DL40.3 189.68,63.97 188.18,62.47 DL39.1
Net-(DL40-DOUT): length 14.5
  Bottom w0.2: DL40.1 207.22,62.47 208.73,63.97 DL41.3
Net-(DL41-DOUT): length 14.5
  Bottom w0.2: DL41.1 226.27,62.47 227.77,63.97 DL42.3
Net-(DL42-DOUT): length 14.5
  Bottom w0.2: DL43.3 246.82,63.97 245.32,62.47 DL42.1
Net-(DL43-DOUT): length 19.2
  Bottom w0.2: DL43.1 269.14,62.47 270.64,63.97 DL44.3
Net-(DL44-DOUT): length 19.2
  Bottom w0.2: DL45.3 294.45,63.97 292.95,62.47 DL44.1
Net-(DL45-DOUT): length 314.2
  Bottom w0.2: DL45.1 302.92,60 307,60 310.5,56.5 310.5,52 305,46.5 17.5,46.5 16.64,45.64 DL46.3
Net-(DL46-DOUT): length 21.6
  Bottom w0.2: DL46.1 40.54,43.42 42.04,44.92 DL47.3
Net-(DL47-DOUT): length 14.5
  Bottom w0.2: DL47.1 59.59,43.42 61.09,44.92 DL48.3
Net-(DL48-DOUT): length 14.5
  Bottom w0.2: DL48.1 78.64,43.42 80.14,44.92 DL49.3
Net-(DL49-DOUT): length 14.5
  Bottom w0.2: DL49.1 97.69,43.42 99.19,44.92 DL50.3
Net-(DL50-DOUT): length 14.5
  Bottom w0.2: DL50.1 116.74,43.42 118.24,44.92 DL51.3
Net-(DL51-DOUT): length 14.5
  Bottom w0.2: 124.24,43.42 135.79,43.42 137.29,44.92 DL52.3
